# Altium PCB ic_tester.PcbDoc (part 2 of 2) (continued)
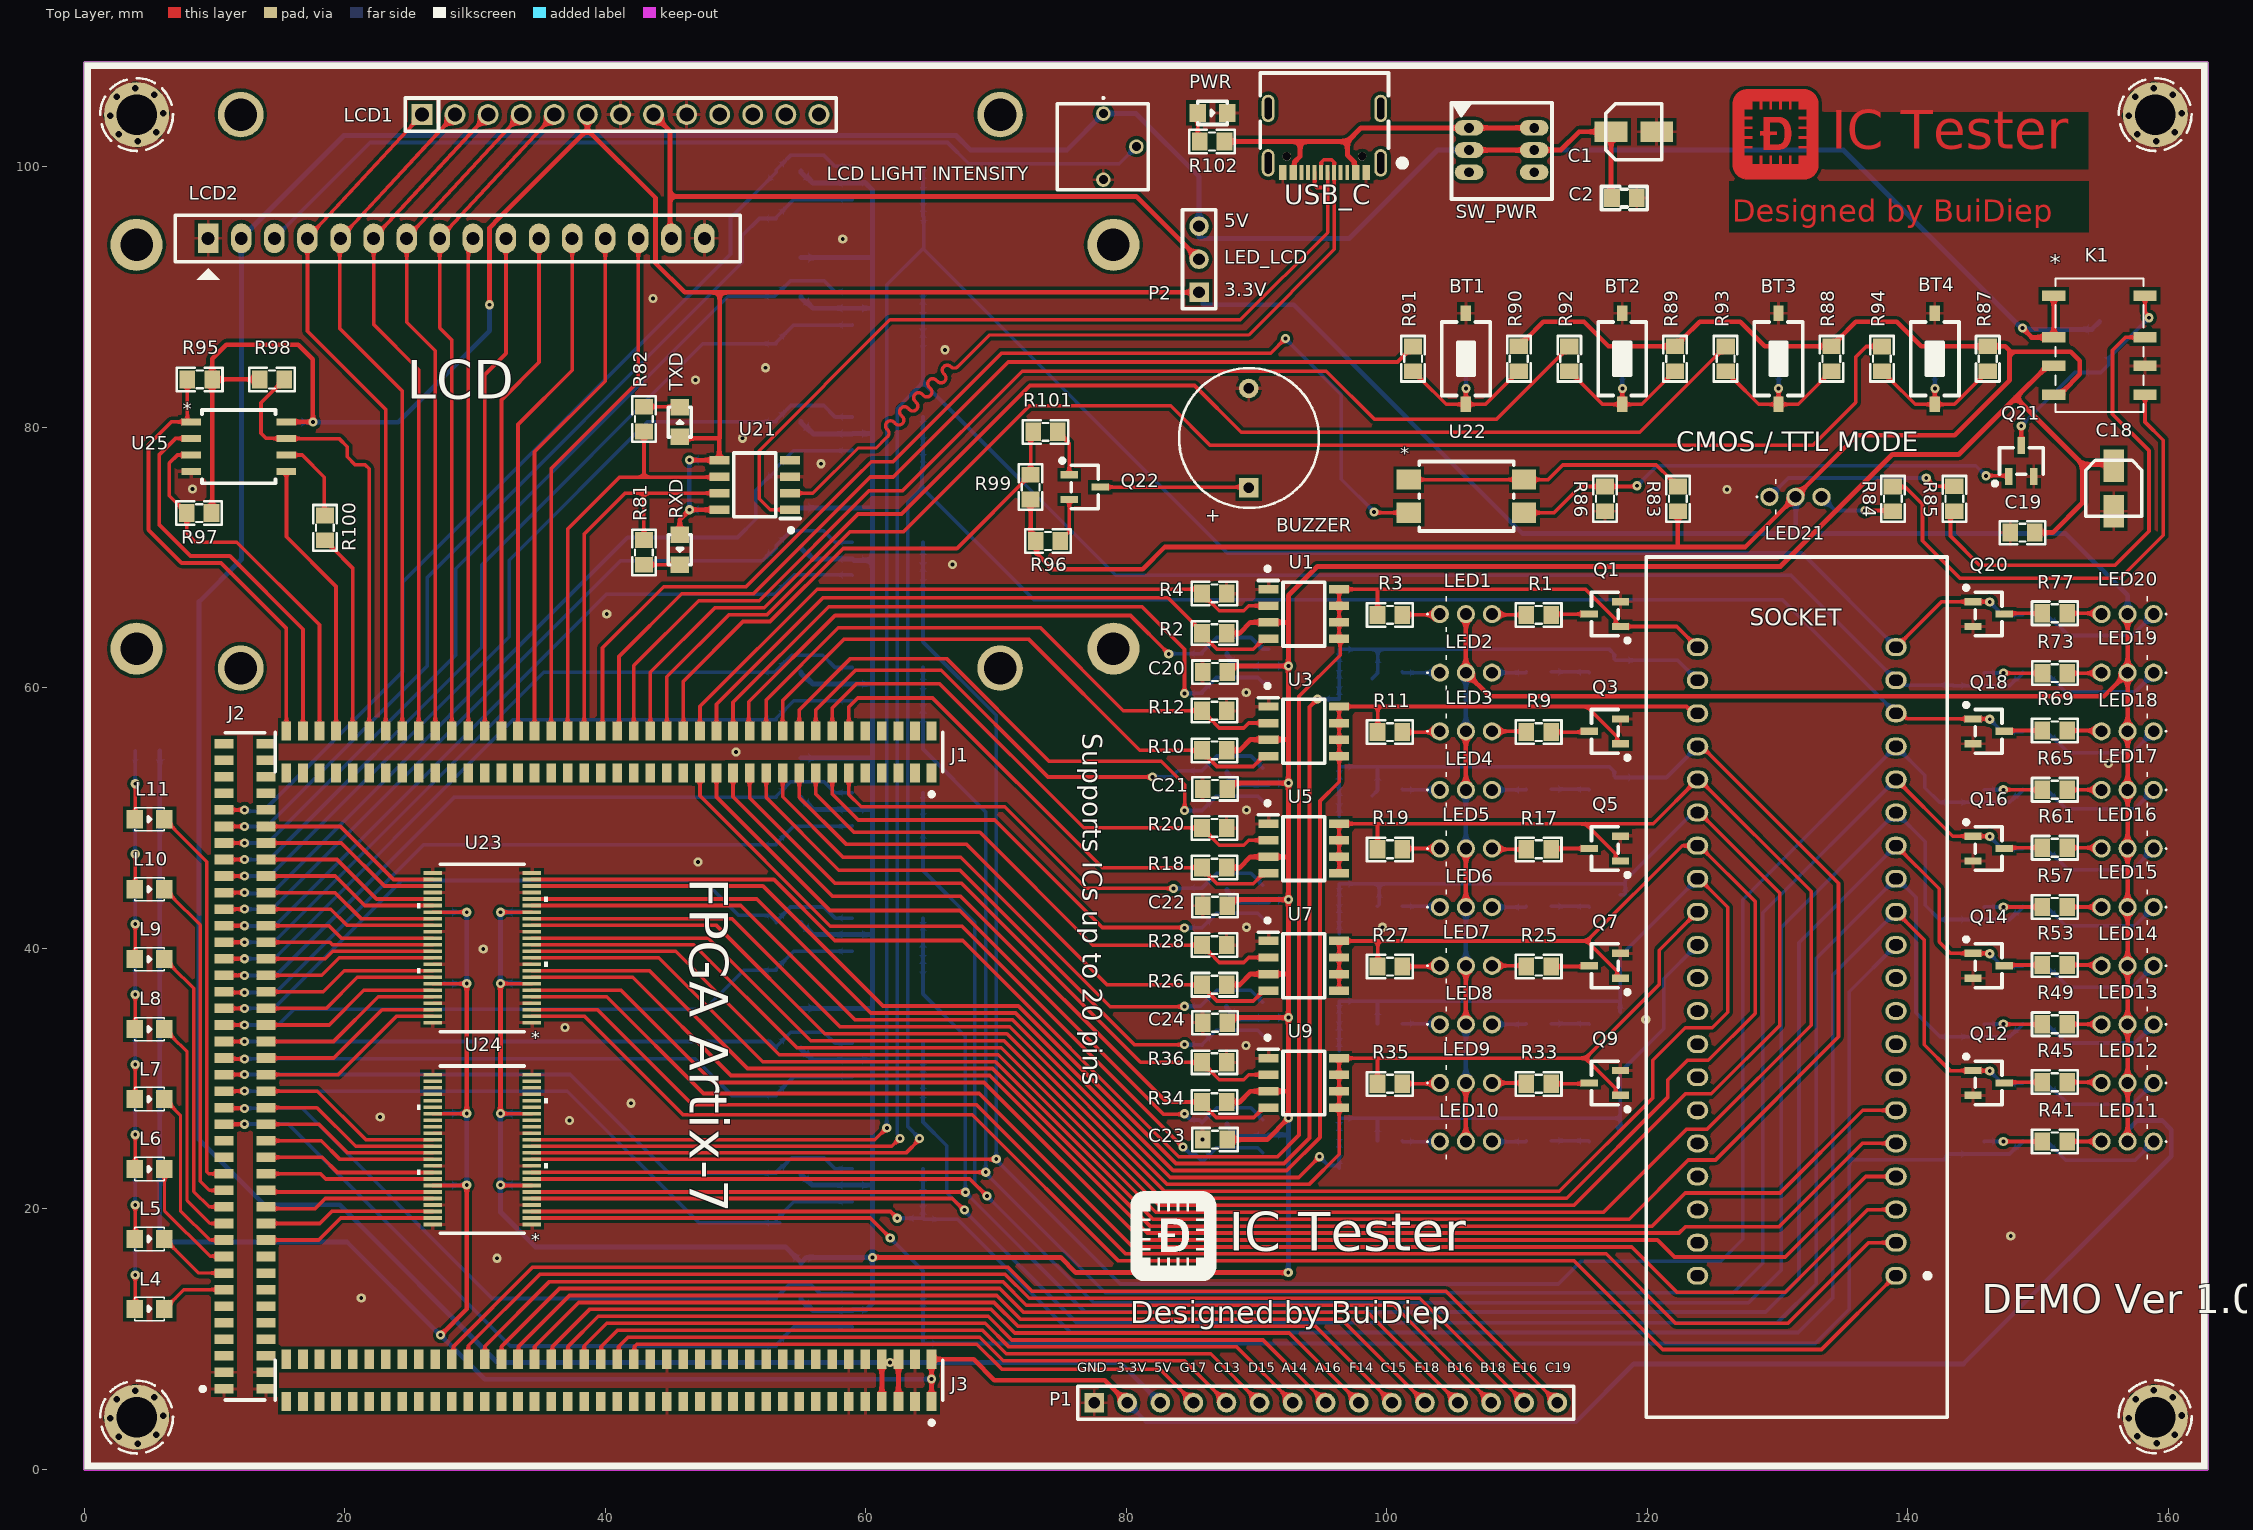
[diagram p0: Top Layer view]
## Nets (pads, with @x,y where several pads share a name; then routed paths per layer and width w, separated by ;. In a path a pad name is that pad's centre, name@x,y a point inside that pad or via, vN(x,y) a via of type N, cw(c..) or ccw(c..) an arc to the next point about the centre after c; other vN are vias at no path point) (continued)
NetQ17_3: Q17.3 R65.2 | length 4.5
  Top Layer w0.279: v1(147.319,52.165) 147.325,52.159 R65.2@150.32,52.159
  Bottom Layer w0.279: Q17.3@145.856,52.149 145.871,52.164 v1(147.319,52.165)
NetQ18_3: Q18.3 R69.2 | length 3
  Top Layer w0.279: Q18.3@147.388,56.649 147.449,56.71 R69.2@150.32,56.71
NetQ19_3: Q19.3 R73.2 | length 4.5
  Top Layer w0.279: v1(147.326,61.121) 147.332,61.115 R73.2@150.327,61.115
  Bottom Layer w0.279: Q19.3@145.878,61.121 v1(147.326,61.121)
NetQ20_3: Q20.3 R77.2 | length 3
  Top Layer w0.279: Q20.3@147.388,65.649 147.449,65.71 R77.2@150.32,65.71
NetQ21_1: Q21.1 R86.1 U22.3 | length 39.1
  Top Layer w0.279: U22.3@110.532,73.43 112.829,73.43 114.845,75.446 R86.1@116.739,75.446 119.145,75.446 v1(119.199,75.5) ; v1(145.988,76.266) 147.688,76.266 Q21.1@147.747,76.206
  Bottom Layer w0.279: v1(119.199,75.5) 120.74,77.04 145.213,77.04 v1(145.988,76.266)
NetQ22_1: Q22.1 R101.2 | length 3.7
  Top Layer w0.279: R101.2@74.736,79.639 74.736,79.539 75.196,79.079 75.296,79.079 75.606,78.769 Q22.1@75.606,76.353
NetQ22_2: Q22.2 R96.1 | length 3.5
  Top Layer w0.279: R96.1@74.93,71.261 74.93,71.361 75.39,71.821 75.442,71.821 75.606,71.985 Q22.2@75.606,74.448
NetR83_1: R83.1 U22.1 U22.4 | length 21.9
  Top Layer w0.279: U22.1@101.667,75.97 U22.4@110.532,75.97 112.369,75.97 113.499,77.1 120.684,77.1 121.778,76.006 121.778,75.906 122.239,75.446 R83.1@122.339,75.446
NetR100_1: R100.1 U25.6 | length 6.6
  Top Layer w0.279: U25.6@15.506,77.865 16.715,77.865 18.419,76.161 R100.1@18.419,73.221
RXD: J1.44 R81.2 U21.7 | length 30.4
  Top Layer w0.279: J1.44@38.365,56.681 38.365,71.804 41.493,74.932 42.95,74.932 ; R81.2@42.95,71.335 42.95,74.932 ; U21.7@48.75,74.932 42.95,74.932
SOC_EXT_1: SOCKET.1 U23.2 | length 117.7
  Top Layer w0.279: U23.2@34.349,34.771 38.388,34.771 45.944,27.215 68.167,27.215 79.392,15.99 114.369,15.99 121.169,9.19 133.369,9.19 139.029,14.849 SOCKET.1@139.082,14.849
SOC_EXT_2: SOCKET.3 U23.3 | length 117.3
  Top Layer w0.279: U23.3@34.349,35.271 39.388,35.271 46.669,27.99 68.469,27.99 79.931,16.528 116.831,16.528 122.169,11.19 130.769,11.19 136.969,17.389 SOCKET.3@139.082,17.389
SOC_EXT_3: SOCKET.5 U23.5 | length 116.8
  Top Layer w0.279: U23.5@34.349,36.271 40.088,36.271 47.519,28.84 68.697,28.84 80.475,17.062 118.797,17.062 122.269,13.59 130.569,13.59 136.909,19.929 SOCKET.5@139.082,19.929
SOC_EXT_4: SOCKET.7 U23.6 | length 115.8
  Top Layer w0.279: U23.6@34.349,36.771 41.188,36.771 48.269,29.69 69.069,29.69 81.164,17.595 120.764,17.595 122.069,16.29 130.569,16.29 136.749,22.469 SOCKET.7@139.082,22.469
SOC_EXT_5: SOCKET.9 U23.8 | length 115.7
  Top Layer w0.279: U23.8@34.349,37.77 42.089,37.77 49.636,30.223 69.495,30.223 81.59,18.128 122.427,18.128 122.899,18.6 130.08,18.6 136.489,25.009 SOCKET.9@139.082,25.009
SOC_EXT_6: SOCKET.11 U23.9 | length 116.5
  Top Layer w0.279: U23.9@34.349,38.271 43.388,38.271 50.902,30.756 69.716,30.756 81.811,18.662 120.361,18.662 122.899,21.2 130.18,21.2 136.529,27.549 SOCKET.11@139.082,27.549
SOC_P1: Q1.1 R3.1 SOCKET.40 U1.5 U1.6 U1.7 U1.8 U23.23 | length 143.2
  Top Layer w0.279: U23.23@34.349,45.271 52.932,45.271 57.613,40.59 67.426,40.59 84.02,23.996 91.591,23.996 93.244,25.648 93.244,59.335 96.405,62.496 96.405,63.668 U1.5@96.328,63.744 U1.6@96.328,65.014 U1.7@96.328,66.284 U1.8@96.328,67.554 99.199,67.554 ; R3.1@99.275,65.588 99.275,67.479 99.199,67.554 ; SOCKET.40@123.842,63.109 122.255,64.697 Q1.1@117.924,64.697 117.708,64.697 117.568,64.836 117.568,65.232 115.245,67.554 99.199,67.554
SOC_P2: Q2.1 R7.1 SOCKET.38 U2.5 U2.6 U2.7 U2.8 U23.22 | length 139.9
  Top Layer w0.279: U23.22@34.349,44.771 52.088,44.771 61.302,35.557 71.704,35.557 83.799,23.462 92.092,23.462 94.055,25.426 94.055,58.521 v1(94.663,59.129)
  Bottom Layer w0.279: v1(94.663,59.129) 94.665,59.127 U2.8@96.328,59.127 U2.7@96.328,60.397 U2.6@96.328,61.667 U2.5@96.328,62.937 99.299,62.937 ; R7.1@98.865,60.701 99.275,61.11 R7.1@99.275,61.21 99.299,61.235 99.299,62.937 ; SOCKET.38@123.842,60.569 122.31,62.102 Q2.1@117.924,62.102 117.543,62.102 117.454,62.191 117.454,62.572 117.089,62.937 99.299,62.937
SOC_P3: Q3.1 R11.1 SOCKET.36 U3.5 U3.6 U3.7 U3.8 U23.20 | length 137.6
  Top Layer w0.279: U23.20@34.349,43.771 51.62,43.771 60.367,35.024 71.484,35.024 83.578,22.929 92.313,22.929 94.855,25.472 94.855,51.295 96.328,52.768 U3.5@96.328,54.744 U3.6@96.328,56.014 U3.7@96.328,57.284 U3.8@96.328,58.554 99.299,58.554 ; R11.1@99.275,56.588 99.299,56.613 99.299,58.554 ; Q3.1@117.924,55.697 117.808,55.697 117.668,55.836 117.668,56.232 115.345,58.554 ; SOCKET.36@123.842,58.029 123.518,58.029 122.993,58.554 115.345,58.554 ; 99.299,58.554 115.345,58.554
SOC_P4: Q4.1 R15.1 SOCKET.34 U4.5 U4.6 U4.7 U4.8 U23.11 | length 176.7
  Top Layer w0.279: U23.11@34.349,39.271 44.088,39.271 52.069,31.29 69.937,31.29 82.031,19.195 118.595,19.195 123.139,23.739 125.219,23.739 134.669,33.19 134.669,44.983 124.163,55.489 SOCKET.34@123.842,55.489
  Bottom Layer w0.279: U4.8@96.328,50.127 U4.7@96.328,51.397 U4.6@96.328,52.667 U4.5@96.328,53.937 99.399,53.937 ; R15.1@98.865,51.701 99.275,52.11 R15.1@99.275,52.21 99.275,53.812 99.399,53.937 ; SOCKET.34@123.842,55.489 121.455,53.102 Q4.1@117.924,53.102 117.543,53.102 117.454,53.191 117.454,53.572 117.089,53.937 99.399,53.937
SOC_P5: Q5.1 R19.1 SOCKET.32 U5.5 U5.6 U5.7 U5.8 U23.12 | length 173.8
  Top Layer w0.279: U23.12@34.349,39.771 45.388,39.771 53.336,31.823 70.158,31.823 82.252,19.729 116.628,19.729 122.988,26.089 124.568,26.089 132.569,34.09 132.569,44.362 123.982,52.949 SOCKET.32@123.842,52.949 120.447,49.554 115.245,49.554 ; U5.5@96.328,45.744 U5.6@96.328,47.014 U5.7@96.328,48.284 U5.8@96.328,49.554 99.299,49.554 ; R19.1@99.275,47.588 99.275,49.529 99.299,49.554 ; Q5.1@117.924,46.697 117.708,46.697 117.568,46.836 117.568,47.232 115.245,49.554 ; 99.299,49.554 115.245,49.554
SOC_P6: Q6.1 R23.1 SOCKET.30 U6.5 U6.6 U6.7 U6.8 U23.13 | length 165.6
  Top Layer w0.279: U23.13@34.349,40.271 46.788,40.271 54.702,32.357 70.379,32.357 82.473,20.262 114.362,20.262 122.919,28.819 124.899,28.819 130.169,34.09 130.169,44.222 123.982,50.409 SOCKET.30@123.842,50.409
  Bottom Layer w0.279: U6.8@96.328,41.127 U6.7@96.328,42.397 U6.6@96.328,43.667 U6.5@96.328,44.937 99.399,44.937 ; R23.1@99.275,43.21 99.399,43.335 99.399,44.937 ; Q6.1@117.924,44.102 118.216,44.102 118.305,44.191 118.305,44.779 ; SOCKET.30@123.842,50.409 123.574,50.409 123.233,50.068 123.167,50.068 118.305,45.206 118.305,44.779 ; 99.399,44.937 118.147,44.937 118.305,44.779
SOC_P7: Q7.1 R27.1 SOCKET.28 U7.5 U7.6 U7.7 U7.8 U23.14 | length 164
  Top Layer w0.279: U23.14@34.349,40.771 47.888,40.771 55.769,32.89 70.6,32.89 82.694,20.795 113.795,20.795 121.569,28.57 121.569,29.89 123.069,31.39 124.669,31.39 128.269,34.99 128.269,43.582 123.982,47.869 122.66,47.869 115.345,40.554 ; U7.5@96.328,36.744 U7.6@96.328,38.014 U7.7@96.328,39.284 U7.8@96.328,40.554 99.299,40.554 ; R27.1@99.275,38.588 99.299,38.613 99.299,40.554 ; Q7.1@117.924,37.697 117.808,37.697 117.668,37.836 117.668,38.232 115.345,40.554 ; 99.299,40.554 115.345,40.554
SOC_P8: Q8.1 R31.1 SOCKET.26 U8.5 U8.6 U8.7 U8.8 U23.16 | length 159.6
  Top Layer w0.279: U23.16@34.349,41.771 48.488,41.771 56.835,33.423 70.821,33.423 82.915,21.329 113.228,21.329 120.399,28.5 120.399,31.4 122.899,33.9 124.98,33.9 126.169,35.09 126.169,43.142 123.982,45.329 SOCKET.26@123.842,45.329
  Bottom Layer w0.279: U8.8@96.328,32.127 U8.7@96.328,33.397 U8.6@96.328,34.667 U8.5@96.328,35.937 99.299,35.937 ; R31.1@99.275,34.21 99.275,35.912 99.299,35.937 ; SOCKET.26@123.842,45.329 117.924,39.411 Q8.1@117.924,35.102 117.883,35.143 117.883,35.896 117.841,35.937 99.299,35.937
SOC_P9: Q9.1 R35.1 SOCKET.24 U9.5 U9.6 U9.7 U9.8 U23.17 | length 118.6
  Top Layer w0.279: U23.17@34.349,42.271 49.688,42.271 58.002,33.957 71.042,33.957 83.136,21.862 94.017,21.862 96.328,24.174 U9.5@96.328,27.744 U9.6@96.328,29.014 U9.7@96.328,30.284 U9.8@96.328,31.554 99.299,31.554 ; R35.1@99.275,29.588 99.275,31.529 99.299,31.554 ; Q9.1@117.924,28.697 117.708,28.697 117.568,28.836 117.568,29.232 115.245,31.554 ; SOCKET.24@123.842,42.789 120.899,39.846 120.899,37.208 115.245,31.554 ; 99.299,31.554 115.245,31.554
SOC_P10: Q10.1 R39.1 SOCKET.22 U10.5 U10.6 U10.7 U10.8 U23.19 | length 115.8
  Top Layer w0.279: U23.19@34.349,43.271 50.388,43.271 59.169,34.49 71.263,34.49 83.357,22.396 93.225,22.396 v1(94.819,23.99)
  Bottom Layer w0.279: v1(94.819,23.99) 95.496,23.313 96.143,23.313 U10.8@96.328,23.127 96.328,23.233 U10.7@96.328,24.397 U10.6@96.328,25.667 U10.5@96.328,26.937 96.34,26.949 99.326,26.949 ; R39.1@99.275,25.21 99.275,26.898 99.326,26.949 ; Q10.1@117.641,26.241 117.78,26.102 Q10.1@117.924,26.102 117.924,26.949 ; SOCKET.22@123.842,40.249 121.246,37.653 121.246,33.82 117.924,30.498 117.924,26.949 ; 99.326,26.949 117.924,26.949
SOC_P11: Q11.1 R43.1 SOCKET.21 U11.5 U11.6 U11.7 U11.8 U24.2 | length 153
  Top Layer w0.279: U24.2@34.349,19.281 60.329,19.281 v1(61.862,17.749)
  Bottom Layer w0.279: v1(61.862,17.749) 64.374,15.236 U11.5@64.374,13.454 U11.6@64.374,12.184 U11.7@64.374,10.914 U11.8@64.374,9.644 132.872,9.644 135.495,12.267 135.495,23.767 ; SOCKET.21@139.082,40.249 135.495,36.662 135.495,23.767 ; R43.1@148.805,25.21 148.805,25.11 148.344,24.65 148.244,24.65 147.791,24.197 143.087,24.197 142.948,24.057 142.948,23.931 142.784,23.767 135.495,23.767
SOC_P12: Q12.1 R47.1 SOCKET.23 U12.5 U12.6 U12.7 U12.8 U24.3 | length 160.2
  Top Layer w0.279: U24.3@34.349,19.781 61.885,19.781 v1(62.404,19.262) ; SOCKET.23@139.082,42.789 141.248,40.623 141.248,32.581 143.228,30.602 144.619,30.602 Q12.1@145,30.602 146.243,30.602 146.271,30.574 v1(146.277,30.574)
  Bottom Layer w0.279: v1(62.404,19.262) U12.8@64.374,19.262 ; U12.5@64.374,23.072 U12.6@64.374,21.802 U12.7@64.374,20.532 U12.8@64.374,19.262 ; SOCKET.23@139.082,42.789 134.228,37.935 134.228,13.133 131.586,10.492 75.732,10.492 67.034,19.189 64.447,19.189 U12.8@64.374,19.262 ; v1(146.277,30.574) 147.233,29.619 R47.1@148.812,29.619
SOC_P13: Q13.1 R51.1 SOCKET.25 U13.5 U13.6 U13.7 U13.8 U24.5 | length 172
  Top Layer w0.279: U24.5@34.349,20.781 62.775,20.781 62.779,20.778 66.631,20.778 67.519,19.89 v1(67.569,19.89)
  Bottom Layer w0.279: U13.5@64.374,32.691 U13.6@64.374,31.421 U13.7@64.374,30.151 U13.8@64.374,28.881 64.374,26.658 66.191,24.841 66.191,21.218 67.519,19.89 v1(67.569,19.89) 67.569,19.84 76.155,11.254 129.986,11.254 132.958,14.225 132.958,39.205 SOCKET.25@139.082,45.329 139.193,45.329 140.613,43.909 140.613,35.045 142.461,33.197 147.791,33.197 148.244,33.65 148.344,33.65 148.805,34.11 R51.1@148.805,34.21
SOC_P14: Q14.1 R55.1 SOCKET.27 U14.5 U14.6 U14.7 U14.8 U24.6 | length 176.8
  Top Layer w0.279: U24.6@34.349,21.281 67.601,21.281 67.623,21.26 v1(67.63,21.26) ; SOCKET.27@139.082,47.869 142.391,44.56 142.391,40.48 143.27,39.602 Q14.1@145,39.602 146.243,39.602 146.271,39.574 v1(146.277,39.574)
  Bottom Layer w0.279: U14.5@64.374,42.309 U14.6@64.374,41.039 U14.7@64.374,39.769 U14.8@64.374,38.499 64.374,36.488 67.63,33.232 v1(67.63,21.26) 76.823,12.066 129.072,12.066 131.637,14.632 131.637,40.424 SOCKET.27@139.082,47.869 ; v1(146.277,39.574) 147.233,38.619 R55.1@148.812,38.619
SOC_P15: Q15.1 R59.1 SOCKET.29 U15.5 U15.6 U15.7 U15.8 U24.8 | length 189.1
  Top Layer w0.279: U24.8@34.349,22.281 67.977,22.281 v1(69.294,20.965)
  Bottom Layer w0.279: U15.5@64.374,51.927 U15.6@64.374,50.657 U15.7@64.374,49.387 U15.8@64.374,48.117 64.374,45.962 68.344,41.992 68.344,21.915 77.481,12.778 127.751,12.778 130.265,15.292 130.265,41.592 SOCKET.29@139.082,50.409 141.324,48.167 141.324,43.3 142.428,42.197 147.791,42.197 148.244,42.65 148.344,42.65 148.805,43.11 R59.1@148.805,43.21
SOC_P16: Q16.1 R63.1 SOCKET.31 U16.5 U16.6 U16.7 U16.8 U24.9 | length 193.3
  Top Layer w0.279: U24.9@34.349,22.781 34.993,22.781 35.007,22.795 69.194,22.795 v1(69.199,22.8) ; SOCKET.31@139.082,52.949 143.43,48.602 Q16.1@145,48.602 146.243,48.602 146.271,48.574 v1(146.277,48.574)
  Bottom Layer w0.279: U16.5@64.374,61.545 U16.6@64.374,60.275 U16.7@64.374,59.005 U16.8@64.374,57.735 64.374,55.284 69.199,50.458 v1(69.199,22.8) ; v1@69.199,22.719 78.379,13.54 126.582,13.54 128.843,15.8 128.843,42.71 SOCKET.31@139.082,52.949 ; v1(146.277,48.574) 147.233,47.619 R63.1@148.812,47.619
SOC_P17: Q17.1 R67.1 SOCKET.33 U17.5 U17.6 U17.7 U17.8 U24.11 | length 203.4
  Top Layer w0.279: U24.11@34.349,23.781 69.981,23.781 v1(69.999,23.8)
  Bottom Layer w0.279: U17.5@64.374,71.163 U17.6@64.374,69.893 U17.7@64.374,68.623 U17.8@64.374,67.353 64.374,63.513 69.999,57.888 69.999,23.728 79.513,14.215 113.152,14.215 114.89,15.953 125.617,15.953 126.506,16.842 127.319,17.654 127.319,43.726 SOCKET.33@139.082,55.489 141.299,53.272 141.299,52.317 142.419,51.197 Q17.1@143.468,51.197 147.791,51.197 148.244,51.65 148.344,51.65 148.805,52.11 R67.1@148.805,52.185 R67.1@148.805,52.21
SOC_P18: Q18.1 R71.1 SOCKET.35 U18.5 U18.6 U18.7 U18.8 U24.12 | length 178.8
  Top Layer w0.279: U24.12@34.349,24.281 63.081,24.281 64.099,25.3 v1(64.099,25.4) ; SOCKET.35@139.082,58.029 139.504,58.029 139.932,57.602 Q18.1@145,57.602 146.243,57.602 146.271,57.574 v1(146.277,57.574)
  Bottom Layer w0.279: v1(64.099,25.4) 63.199,26.3 63.199,74.249 64.299,75.349 ; U18.5@64.374,80.782 U18.6@64.374,79.512 U18.7@64.374,78.242 U18.8@64.374,76.972 64.299,76.896 64.299,75.349 ; SOCKET.35@139.082,58.029 130.369,66.743 72.905,66.743 64.299,75.349 ; v1(146.277,57.574) 147.233,56.619 R71.1@148.812,56.619
SOC_P19: Q19.1 R75.1 SOCKET.37 U19.5 U19.6 U19.7 U19.8 U24.13 | length 188.9
  Top Layer w0.279: U24.13@34.349,24.781 61.981,24.781 v1(62.599,25.4)
  Bottom Layer w0.279: v1(62.599,25.4) 62.599,25.514 62.399,25.714 62.399,81.45 64.374,83.425 ; U19.5@64.374,90.4 U19.6@64.374,89.13 U19.7@64.374,87.86 U19.8@64.374,86.59 64.374,83.425 ; Q19.1@143.468,60.197 139.75,60.197 139.378,60.569 SOCKET.37@139.082,60.569 131.019,68.632 79.167,68.632 64.374,83.425 ; Q19.1@143.475,60.153 147.798,60.153 148.251,60.606 148.351,60.606 148.812,61.066 R75.1@148.812,61.166
SOC_P20: Q20.1 R79.1 SOCKET.39 U20.5 U20.6 U20.7 U20.8 U24.14 | length 201.6
  Top Layer w0.279: U24.14@34.349,25.281 34.993,25.281 34.994,25.282 60.682,25.282 v1(61.599,26.2) ; SOCKET.39@139.082,63.109 142.575,66.602 Q20.1@145,66.602 146.243,66.602 146.271,66.574 v1(146.277,66.574)
  Bottom Layer w0.279: v1(61.599,26.2) 61.599,90.937 64.426,93.764 ; U20.5@64.374,100.018 U20.6@64.374,98.748 U20.7@64.374,97.478 U20.8@64.374,96.208 64.426,96.156 64.426,93.649 87.741,70.334 131.857,70.334 SOCKET.39@139.082,63.109 ; v1(146.277,66.574) 147.233,65.619 R79.1@148.812,65.619
SPI_/CS: J1.80 R95.1 U25.1 | length 35.4
  Top Layer w0.279: R95.1@7.899,83.666 7.899,80.532 U25.1@8.026,80.405 ; U25.1@8.191,80.405 U25.1@8.026,80.405 ; J1.80@15.505,56.681 15.505,64.546 10.479,69.572 7.456,69.572 4.916,72.112 4.916,78.64 6.682,80.405 7.899,80.405 U25.1@8.026,80.405
SPI_CLK: J1.72 R100.2 | length 15.6
  Top Layer w0.279: R100.2@18.458,71.321 18.558,71.321 19.019,70.861 19.019,70.761 20.585,69.194 J1.72@20.585,56.681
SPI_D0: J1.74 U25.5 | length 21.5
  Top Layer w0.279: U25.5@15.506,76.595 15.506,71.581 19.315,67.772 J1.74@19.315,56.681
SPI_D1: J1.78 U25.2 | length 30.5
  Top Layer w0.279: U25.2@8.191,79.135 6.986,79.135 5.755,77.903 5.755,72.485 8.135,70.105 11.165,70.105 16.775,64.495 J1.78@16.775,56.681
SPI_D2: J1.76 R97.1 U25.3 | length 29.2
  Top Layer w0.279: U25.3@8.191,77.865 7.139,77.865 6.517,77.243 6.517,74.743 7.294,73.966 7.394,73.966 7.854,73.505 R97.1@7.854,73.405 7.854,71.867 8.549,71.172 11.698,71.172 18.045,64.826 J1.76@18.045,56.681
SPI_D3: J1.70 R98.1 U25.7 | length 34.9
  Top Layer w0.279: R98.1@15.345,83.661 15.345,83.561 14.885,83.101 14.785,83.101 13.552,81.868 13.552,79.529 13.946,79.135 U25.7@15.506,79.135 15.518,79.122 19.547,79.122 20.169,78.5 20.169,77.725 20.791,77.103 21.566,77.103 21.855,76.814 J1.70@21.855,56.681
TXD: J1.46 R82.2 U21.6 | length 32.3
  Top Layer w0.279: J1.46@37.095,56.681 37.095,72.185 41.074,76.164 42.956,76.164 ; R82.2@42.956,79.671 42.956,76.164 ; U21.6@48.75,76.202 48.713,76.164 42.956,76.164
USB_D_N: U21.2 USB_C.A7 USB_C.B7 | length 63.7
  Top Layer w0.254: U21.2@54.174,74.932 55.931,74.932 59.399,78.4 60.799,78.4 61.569,79.17 61.659,79.26 ccw(c61.39,79.529) 61.659,79.799 61.615,79.843 cw(c61.885,80.112) 61.615,80.381 cw(c61.885,80.112) 62.154,80.381 62.26,80.275 ccw(c62.53,80.545) 62.799,80.275 ccw(c62.53,80.545) 62.799,80.814 62.693,80.92 cw(c62.962,81.19) 62.693,81.459 cw(c62.962,81.19) 63.232,81.459 63.338,81.353 ccw(c63.607,81.622) 63.877,81.353 ccw(c63.607,81.622) 63.877,81.892 63.771,81.998 cw(c64.04,82.267) 63.771,82.537 cw(c64.04,82.267) 64.309,82.537 64.416,82.431 ccw(c64.685,82.7) 64.954,82.431 ccw(c64.685,82.7) 64.954,82.969 64.853,83.071 cw(c65.122,83.34) 64.853,83.61 cw(c65.122,83.34) 65.392,83.61 65.493,83.508 ccw(c65.763,83.778) 66.032,83.508 ccw(c65.763,83.778) 66.032,84.047 65.97,84.109 cw(c66.239,84.379) 65.97,84.648 cw(c66.239,84.379) 66.509,84.648 ccw(c66.778,84.917) 67.047,84.648 67.916,85.516 69.471,87.071 89.371,87.071 95.949,93.65 USB_C.B7@95.949,99.564
  Top Layer w0.279: USB_C.A7@94.949,99.564 94.949,100.347 95.137,100.535 95.747,100.535 95.949,100.332 USB_C.B7@95.949,99.564
USB_D_P: U21.1 USB_C.A6 USB_C.B6 | length 63.7
  Top Layer w0.254: U21.1@54.174,73.662 52.638,73.662 51.799,74.5 51.799,78.2 61.839,88.24 88.739,88.24 95.441,94.942 95.441,94.95 ; 95.449,94.95 95.449,98.401 95.449,98.983
  Top Layer w0.279: USB_C.B6@94.449,99.564 94.449,98.565 94.613,98.401 95.449,98.401 ; 95.449,98.983 USB_C.A6@95.449,99.564
VIC: C10.2 C12.2 C14.2 C16.2 C18.1 C19.1 C20.1 C21.1 C22.1 C23.1 C24.1 C25.1 C26.1 C27.1 C28.1 C29.1 K1.3 R2.1 R6.1 R10.1 R14.1 R18.1 R22.1 R26.1 R30.1 R34.1 R38.1 R42.1 R46.1 R50.1 R54.1 R58.1 R62.1 R66.1 R70.1 R74.1 R78.1 U1.3 U2.3 U3.3 U4.3 U5.3 U6.3 U7.3 U8.3 U9.3 U10.3 U11.3 U12.3 U13.3 U14.3 U15.3 U16.3 U17.3 U18.3 U19.3 U20.3 U23.7 U23.18 U24.7 U24.18 | length 480.3
  Top Layer w0.279: v1(31.939,21.805) 31.946,21.805 31.972,21.78 33.703,21.78 33.705,21.781 U24.7@34.349,21.781 ; v1@31.95,42.771 U23.18@34.349,42.771 ; v1@31.957,27.281 U24.18@34.349,27.281 ; v1@31.975,37.271 U23.7@34.349,37.271
  Top Layer w0.381: v1(31.939,42.76) v1@31.95,42.771 ; v1@31.957,27.281 31.946,27.292 v1(31.939,27.292) v1(31.939,37.299) 31.946,37.299 v1@31.975,37.271 ; v1(60.492,16.257) 74.944,16.257 76.112,15.09 v1(92.419,15.09) ; R34.1@87.704,28.186 88.685,28.186 89.514,29.014 U9.3@90.904,29.014 92.415,29.014 92.429,29 ; R26.1@87.704,37.186 88.685,37.186 89.514,38.014 U7.3@90.904,38.014 92.427,38.014 92.429,38.017 ; R18.1@87.704,46.186 88.685,46.186 89.514,47.014 ; R10.1@87.704,55.186 88.685,55.186 89.514,56.014 U3.3@90.904,56.014 92.418,56.014 92.429,56.025 ; R2.1@87.704,64.186 88.685,64.186 89.514,65.014 U1.3@90.904,65.014 92.404,65.014 92.429,65.04 ; C23.1@87.746,25.303 90.803,25.303 92.431,26.931 v1(92.431,26.975) v1(92.431,26.975) 92.429,29 ; C24.1@87.746,34.278 88.131,34.664 v1(92.429,34.664) ; C22.1@87.746,43.253 87.746,43.322 88.155,43.732 v1(92.429,43.732) ; C21.1@87.746,52.228 87.746,52.263 88.155,52.672 v1(92.429,52.672) ; C20.1@87.746,61.203 87.746,61.255 88.155,61.664 v1(92.429,61.664) ; 89.563,47.014 U5.3@90.904,47.014 92.423,47.014 92.429,47.008 ; C19.1@149.746,71.903 151.103,71.903 153.4,74.2 153.4,77.144 ; K1.3@151.2,84.7 150.99,84.49 150.49,84.49 148.272,82.272 ; C18.1@155.8,77.05 155.706,77.144 153.4,77.144 ; 92.429,29 v1(92.429,34.664) ; v1(92.429,34.664) 92.429,38.017 ; 92.429,38.017 v1(92.429,43.732) ; v1(92.429,43.732) 92.429,47.008 ; 92.429,47.008 v1(92.429,52.672) ; v1(92.429,52.672) 92.429,56.025 ; 92.429,56.025 v1(92.429,61.664) ; v1(92.429,61.664) 92.429,65.04 ; 92.429,65.04 92.429,67.074 94.655,69.3 130.199,69.3 138.799,77.9 143.9,77.9 148.272,82.272 ; 148.272,82.272 153.4,77.144
  Bottom Layer w0.381: C16.2@33.454,21.821 31.962,21.821 31.946,21.805 v1(31.939,21.805) ; C12.2@33.454,27.307 33.439,27.292 v1(31.939,27.292) v1(31.939,21.805) ; C14.2@33.454,37.299 v1(31.939,37.299) v1(31.939,42.76) C10.2@33.454,42.76 ; R42.1@55.008,13.1 55.008,13 55.468,12.54 55.568,12.54 55.924,12.184 U11.3@58.95,12.184 59.01,12.244 60.034,12.244 60.492,12.701 v1(60.492,16.257) ; R46.1@55.008,22.718 55.008,22.618 55.468,22.158 55.518,22.158 55.874,21.802 U12.3@58.95,21.802 60.449,21.802 60.492,21.845 ; R50.1@55.008,32.337 55.008,32.237 55.468,31.776 55.568,31.776 55.924,31.421 U13.3@58.95,31.421 60.491,31.421 ; R54.1@55.008,41.955 55.008,41.855 55.468,41.395 55.568,41.395 55.924,41.039 U14.3@58.95,41.039 60.45,41.039 60.492,40.997 ; R58.1@55.008,51.573 55.008,51.473 55.468,51.013 55.568,51.013 55.924,50.657 U15.3@58.95,50.657 60.458,50.657 60.492,50.624 ; R62.1@55.008,61.191 55.008,61.091 55.468,60.631 55.568,60.631 55.923,60.276 58.95,60.276 60.441,60.275 60.492,60.225 ; R66.1@55.008,70.809 55.008,70.709 55.468,70.249 55.568,70.249 55.915,69.902 55.92,69.902 55.928,69.893 U17.3@58.95,69.893 59.068,69.775 60.492,69.775 ; R70.1@55.008,80.428 55.008,80.328 55.468,79.867 55.568,79.867 55.957,79.478 58.917,79.478 U18.3@58.95,79.512 60.483,79.512 60.492,79.503 ; R74.1@55.008,90.046 55.008,89.946 55.468,89.485 55.568,89.485 55.924,89.13 U19.3@58.95,89.13 60.466,89.13 60.492,89.105 ; R78.1@55.008,99.664 55.008,99.564 55.468,99.104 55.568,99.104 55.924,98.748 U20.3@58.95,98.748 59.97,98.748 60.492,98.226 60.492,93.015 ; C25.1@55.022,15.77 C25.1@55.022,15.848 ; C26.1@55.022,35.379 60.488,35.379 60.492,35.382 ; C27.1@55.022,54.59 60.461,54.59 60.492,54.559 ; C28.1@55.022,73.801 60.429,73.801 60.492,73.863 ; C29.1@55.022,93.011 60.488,93.011 60.492,93.015 ; R30.1@87.686,35.53 87.686,35.43 88.146,34.97 88.538,34.578 U8.3@90.88,34.578 ; R38.1@87.704,26.512 87.704,26.412 88.164,25.952 88.556,25.56 U10.3@90.898,25.56 ; R22.1@87.704,44.512 87.704,44.412 88.164,43.952 88.556,43.56 U6.3@90.898,43.56 ; R14.1@87.704,53.512 87.704,53.412 88.164,52.952 88.556,52.56 U4.3@90.898,52.56 ; R6.1@87.704,62.612 87.704,62.512 88.164,62.052 88.556,61.66 90.898,61.66 U2.3@90.904,61.667 92.427,61.667 v1(92.429,61.664) ; U10.3@90.904,25.667 92.418,25.667 ; U8.3@90.904,34.667 92.426,34.667 v1(92.429,34.664) ; U6.3@90.904,43.667 90.969,43.732 v1(92.429,43.732) ; U4.3@90.904,52.667 92.417,52.667 92.423,52.672 v1(92.429,52.672) ; v1(92.419,15.09) 92.429,15.1 v1(92.431,26.975) v1(92.431,26.975) ; v1(31.939,21.805) 31.939,19.75 34.62,17.069 53.823,17.069 55.022,15.87 C25.1@55.022,15.848 ; C25.1@55.022,15.848 55.432,16.257 v1(60.492,16.257) ; v1(60.492,16.257) 60.492,21.845 ; 60.492,21.845 60.492,31.421 60.492,35.382 ; 60.492,35.382 60.492,40.997 ; 60.492,40.997 60.492,50.624 ; 60.492,50.624 60.492,54.559 ; 60.492,54.559 60.492,60.225 ; 60.492,60.225 60.492,69.775 ; 60.492,69.775 60.492,73.863 ; 60.492,73.863 60.492,79.503 ; 60.492,79.503 60.492,89.105 ; 60.492,89.105 60.492,93.015
pads on no net: J1.1 J1.2 J1.3 J1.4 J1.5 J1.6 J1.7 J1.8 J1.9 J1.10 J1.31 J1.33 J1.35 J1.37 J1.39 J1.41 J1.43 J1.45 J1.47 J1.49 J1.51 J1.53 J1.55 J1.57 J1.59 J1.61 J1.63 J1.65 J1.67 J1.69 J1.71 J1.73 J1.75 J1.77 J1.79 J2.5 J2.6 J2.7 J2.8 J2.9 J2.10 J2.11 J2.12 J2.14 J2.16 J2.18 J2.29 J2.31 J2.72 J2.73 J2.74 J2.75 J2.76 J2.77 J2.78 J2.79 J2.80 J3.13 J3.14 J3.15 J3.16 J3.17 J3.18 J3.19 J3.20 J3.21 J3.22 J3.23 J3.24 J3.25 J3.26 J3.27 J3.28 J3.29 J3.30 J3.31 J3.32 J3.35 J3.36 J3.37 J3.39 J3.41 J3.43 J3.45 J3.47 J3.49 J3.51 J3.53 J3.55 J3.57 J3.59 J3.61 J3.62 J3.63 J3.64 J3.65 J3.66 J3.67 J3.68 J3.69 J3.70 J3.71 J3.72 J3.73 J3.74 J3.75 J3.76 J3.77 J3.78 J3.79 J3.80 LCD1. LCD1.10 LCD1.11 LCD1.12 LCD1.13 LCD2. SOCKET.2 SOCKET.4 SOCKET.6 SOCKET.8 SOCKET.10 SOCKET.12 SOCKET.13 SOCKET.14 SOCKET.15 SOCKET.16 SOCKET.17 SOCKET.18 SOCKET.19 SOCKET.20 SW_PWR.0 U21.4 U24.16 U24.17 U24.19 U24.20 U24.22 U24.23 U24.26 U24.27 U24.29 U24.30 U24.32 U24.33 USB_C. USB_C.17 USB_C.18 USB_C.A5 USB_C.A8 USB_C.B5 USB_C.B8

## Polygon pours and split planes (outlines as drawn)
GND on Top Layer "GND_L01_P000" (solid, remove dead copper, pour order 0): -0.001,0 163.011,0 163.011,108 -0.001,108
GND on Bottom Layer "GND_L02_P003" (hatched 45Degree grid 0.635 track 0.254, remove dead copper, pour order 3): -0.001,0 163.011,0 163.011,108 -0.001,108

## Keep-outs
Keep-Out Layer:
  the board outline again, w0.254

## Other copper
Top Layer:
  region: 603 vertices and 1 holes, not listed, extent 128.665,101.292 131.032,103.809
  region: 1153 vertices and 1 holes, not listed, extent 126.557,99.041 133.119,105.93
  text "IC Tester" at 134.116,100.373 h5.08
  text "Designed by BuiDiep" at 126.519,95.204 h2.92

## Silkscreen, mask and mechanical layers (free items; w line width, h text height)
Top Overlay:
  drawing of 38 lines, arcs and shapes, not listed
  text "5V" at 87.506,95.011 h1.78
  text "LED_LCD" at 87.506,92.201 h1.78
  text "3.3V" at 87.506,89.702 h1.78
  text "LCD" at 24.728,81.19 h5.08
  text "CMOS / TTL MODE" at 122.199,77.644 h2.54
  text "Supports ICs up to 20 pins" at 76.151,56.5 h2.54 r270
  text "FPGA Artix-7" at 45.491,45.417 h5.08 r270
  text "IC Tester" at 87.871,15.78 h5.08
  text "DEMO Ver 1.0" at 145.677,11.238 h3.81
  text "Designed by BuiDiep" at 80.274,10.612 h2.92
  text "GND" at 76.214,7.176 h1.27
  text "3.3V" at 79.238,7.176 h1.27
  text "5V" at 82.139,7.176 h1.27
  text "G17" at 84.094,7.176 h1.27
  text "C13" at 86.751,7.176 h1.27
  text "D15" at 89.348,7.176 h1.27
  text "A16" at 94.507,7.176 h1.27
  text "C15" at 99.531,7.176 h1.27
  text "E18" at 102.134,7.176 h1.27
  text "B16" at 104.637,7.176 h1.27
  text "B18" at 107.145,7.176 h1.27
  text "E16" at 109.653,7.176 h1.27
  text "C19" at 112.155,7.176 h1.27
  text "A14" at 91.919,7.162 h1.27
  text "F14" at 97.1,7.162 h1.27
Bottom Overlay:
  rectangle: -0.001,107.5 162.999,108
  rectangle: 0,0 0.5,108
  rectangle: 162.499,0 162.999,108
  rectangle: 0,0 163,0.5
  lines w0.2: 1.199,3.975 cw(c3.999,3.975) 1.575,5.375 ; 1.199,103.975 cw(c3.999,103.975) 1.575,105.375 ; 1.313,3.257 ccw(c4.017,3.982) 2.038,2.002 ; 1.313,103.257 ccw(c4.017,103.982) 2.038,102.002 ; 2.002,5.962 cw(c3.982,3.982) 3.257,6.687 ; 2.002,105.962 cw(c3.982,103.982) 3.257,106.687 ; 2.625,1.575 ccw(c4.025,4) 4.025,1.2 ; 2.625,101.575 ccw(c4.025,104) 4.025,101.2 ; 3.999,6.8 cw(c3.999,4) 5.399,6.425 ; 3.999,106.8 cw(c3.999,104) 5.399,106.425 ; 4.742,1.313 ccw(c4.017,4.018) 5.997,2.038 ; 4.742,101.313 ccw(c4.017,104.018) 5.997,102.038 ; 5.961,5.998 cw(c3.982,4.018) 6.686,4.743 ; 5.961,105.998 cw(c3.982,104.018) 6.686,104.743 ; 6.424,2.625 ccw(c3.999,4.025) 6.799,4.025 ; 6.424,102.625 ccw(c3.999,104.025) 6.799,104.025 ; 156.174,103.975 cw(c158.974,103.975) 156.549,105.375 ; 156.182,3.993 cw(c158.982,3.993) 156.557,5.393 ; 156.287,103.257 ccw(c158.992,103.982) 157.012,102.002 ; 156.295,3.275 ccw(c158.999,4) 157.02,2.02 ; 156.976,105.962 cw(c158.956,103.982) 158.231,106.687 ; 156.984,5.98 cw(c158.964,4) 158.239,6.705 ; 157.599,101.575 ccw(c158.999,104) 158.999,101.2 ; 157.607,1.593 ccw(c159.007,4.018) 159.007,1.218 ; 158.974,106.8 cw(c158.974,104) 160.374,106.425 ; 158.982,6.818 cw(c158.982,4.018) 160.382,6.443 ; 159.717,101.313 ccw(c158.992,104.018) 160.972,102.038 ; 159.724,1.331 ccw(c158.999,4.036) 160.979,2.056 ; 160.936,105.998 cw(c158.956,104.018) 161.661,104.743 ; 160.943,6.016 cw(c158.964,4.036) 161.668,4.761 ; 161.399,102.625 ccw(c158.974,104.025) 161.774,104.025 ; 161.406,2.643 ccw(c158.982,4.043) 161.782,4.043
Top Solder:
  region: 153.976,94.95 153.976,106.141 126.165,106.141 126.165,94.95

## Text inside footprints (layer, text, board x,y; h text height)
BUZZER: Top Overlay "+" at 87.433,72.589 h1.78 r90
K1: Top Overlay "*" at 150.876,91.973 h1.27; Mechanical 13 "*" at 150.882,90.297 h1.27
U22: Top Overlay "*" at 101.022,77.129 h1.78; Mechanical 13 "*" at 102.584,75.631 h1.78
U23: Top Overlay "*" at 34.994,34.381 h1.78 r180; Mechanical 13 "*" at 33.657,35.331 h1.78 r180
U24: Top Overlay "*" at 34.994,18.892 h1.78 r180; Mechanical 13 "*" at 33.657,19.842 h1.78 r180
U25: Top Overlay "*" at 7.546,80.547 h1.78; Mechanical 13 "*" at 9.146,79.583 h1.78